# Altium PCB Pleiades_Frouf.PcbDoc (part 7 of 12)
Units mil, origin at the board's own origin, x right, y up, seen from the top; angles counter-clockwise.
Board outline 12244.09 x 4515.28 mil, 12 copper layers (TOP, GND1, IN1, GND2, POW1, GND3, POW2, GND4, GND5, IN2, GND6, BOT), stack 63.546 mil thick; 1442 components, 702 nets, 4419 pads, 1756 vias.
Unrouted connection lines stored in the file: 1088.
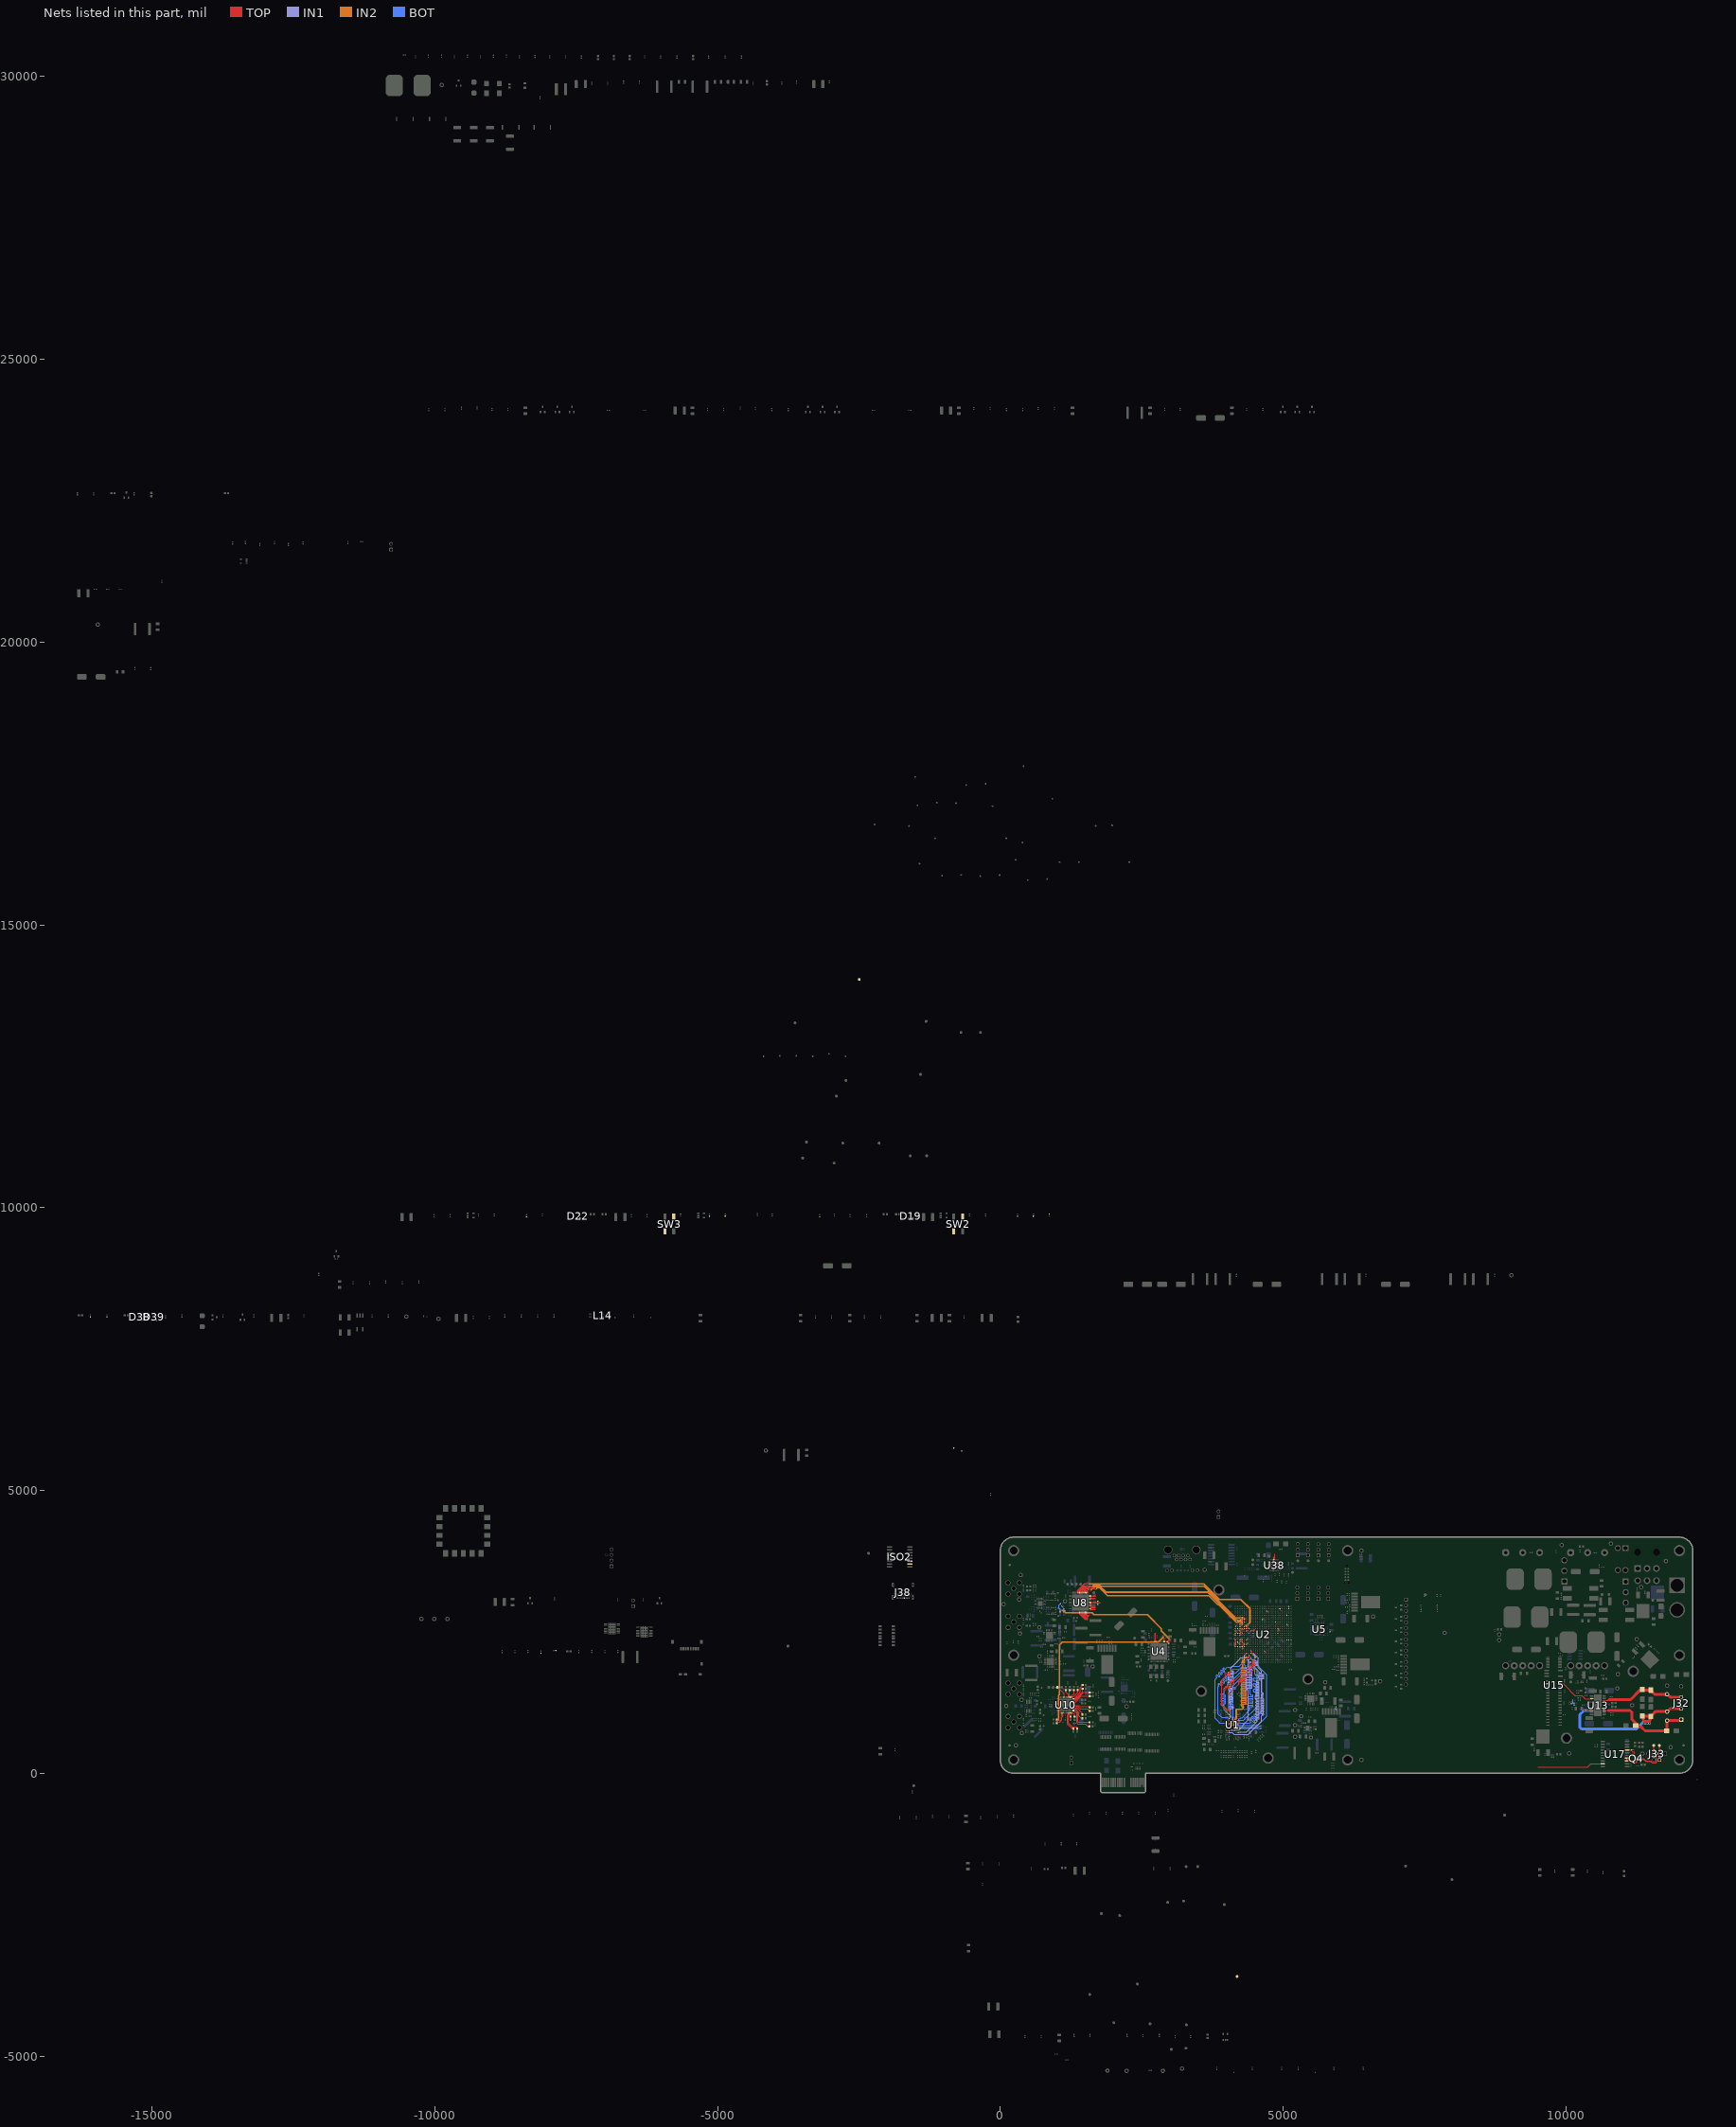
[diagram p17: the nets of this part, all layers, seen from the top]

## Via types
v1: diameter 12/18/18/18/18/18/18/18/18/18/18/12 (per signal layer), hole 6, TOP to BOT, 1113 vias
v2: diameter 20, hole 10, TOP to BOT, 363 vias
v3: diameter 19.68, hole 7.87, TOP to BOT, 110 vias
v4: diameter 25, hole 12, TOP to BOT, 67 vias
v5: diameter 40, hole 20, TOP to BOT, 48 vias
v6: diameter 22, hole 12, TOP to BOT, 27 vias
v7: diameter 12, hole 6, TOP to BOT, 19 vias
v8: diameter 19.68, hole 11.81, TOP to BOT, 9 vias

## Nets (pads, with @x,y where several pads share a name; then routed paths per layer and width w, separated by ;. In a path a pad name is that pad's centre, name@x,y a point inside that pad or via, vN(x,y) a via of type N, cw(c..) or ccw(c..) an arc to the next point about the centre after c; other vN are vias at no path point) (continued)
AOUT2_12: D11.1 D15.2 J32.3 TP80.1 U13.25 | length 1495.2
  TOP w20: U13.25@10651.42,1290.45 U13.25@10677.26,1290.45 10749.9,1290.45 10761.9,1302.46
  TOP w50: 10761.9,1302.46 11145.31,1302.46 D11.1@11315.24,1472.39 ; D11.1@11350.18,1472.39 11352.68,1474.89 D11.1@11352.68,1480.89 11362.68,1470.89 D15.2@11502.68,1470.89 11502.68,1464.89 11571.68,1395.89 TP80.1@11787.37,1395.89 11800.9,1395.89 11855.9,1340.89 J32.3@12037.68,1340.89
AUXIN: U2.W19 U17.9 | length 1191.7
  TOP w6: U2.W19@4866.14,2673.23 4866.14,2672.82 v1(4885,2653.96)
  TOP w12: 9509.2,110.49 10385.35,110.49 10439.38,164.52 U17.9@10651.42,164.52
BA0: NT23.2 U1.M2 U2.H6 | length 3142.2
  TOP w8.89: U1.M2@4015.75,748.03 4015.75,747.02 4031.92,730.84 v1(4031.92,730) ; U2.H6@4433.07,2161.42 4455.16,2139.32 4461.08,2139.32 v1(4461.67,2139.91)
  IN1 w5.75: v1(4031.92,730) 4044.69,717.24 4100.79,717.24 4132.33,685.69 4384.31,685.69 4622.86,924.24 4622.86,987.48 4622.86,1016.11 cw(c4635.74,1016.11) 4635.74,1028.99 4645.97,1028.99 ccw(c4645.97,1041.87) 4645.97,1054.74 4613.92,1054.74 cw(c4613.92,1067.62) 4613.92,1080.5 4645.97,1080.5 ccw(c4645.97,1093.38) 4645.97,1106.25 4613.92,1106.25 cw(c4613.92,1119.13) 4613.92,1132.01 4645.97,1132.01 ccw(c4645.97,1144.88) 4645.97,1157.76 4613.92,1157.76 cw(c4613.92,1170.64) 4613.92,1183.52 4645.97,1183.52 ccw(c4645.97,1196.39) 4645.97,1209.27 4613.92,1209.27 cw(c4613.92,1222.15) 4613.92,1235.03 4645.97,1235.03 ccw(c4645.97,1247.9) 4645.97,1260.78 4613.92,1260.78 cw(c4613.92,1273.66) 4613.92,1286.53 4645.97,1286.53 ccw(c4645.97,1299.41) 4645.97,1312.29 4613.92,1312.29 cw(c4613.92,1325.17) 4613.92,1338.04 4632.21,1338.04 ccw(c4632.21,1350.92) 4632.21,1363.8 4622.86,1363.8 cw(c4622.86,1376.68) 4622.86,1389.55 4635.74,1389.55 ccw(c4635.74,1402.43) 4635.74,1415.31 cw(c4635.74,1428.19) 4622.86,1428.19 4622.86,1632.81 4622.86,1635.69 ccw(c4609.99,1635.69) 4609.99,1648.56 4577.34,1648.56 cw(c4577.34,1661.44) 4577.34,1674.32 4651.59,1674.32 ccw(c4651.59,1687.19) 4651.59,1700.07 4577.34,1700.07 cw(c4577.34,1712.95) 4577.34,1725.83 4651.59,1725.83 ccw(c4651.59,1738.7) 4651.59,1751.58 4577.34,1751.58 cw(c4577.34,1764.46) 4577.34,1777.34 4609.99,1777.34 ccw(c4609.99,1790.21) 4622.86,1790.21 4622.86,1803.65 4594.82,1831.7 4563.5,1863.02 4563.5,2031.5 4487.51,2107.49 4487.51,2112.89 4461.67,2138.73 v1(4461.67,2139.91)
BA1: NT26.2 U1.N8 U2.H5 | length 3142.2
  TOP w8.89: U1.N8@4204.72,716.54 4205.7,716.54 4219.17,730 v1(4220.01,730) ; U2.H5@4433.07,2122.05 4433.87,2122.05 4449.16,2106.75 4456.49,2106.75 v1(4457.08,2106.16)
  IN1 w5.75: v1(4220.01,730) 4349.98,730 4541.54,921.56 4541.54,922.38 4541.54,925.26 ccw(c4533.04,925.26) 4533.04,933.75 4528.08,933.75 cw(c4528.08,942.25) 4519.58,942.25 4519.58,951.01 cw(c4528.08,951.01) 4528.08,959.51 4568.64,959.51 ccw(c4568.64,968.01) 4577.14,968.01 4577.14,976.76 ccw(c4568.64,976.76) 4568.64,985.26 4528.08,985.26 cw(c4528.08,993.76) 4519.58,993.76 4519.58,1002.52 cw(c4528.08,1002.52) 4528.08,1011.02 4568.64,1011.02 ccw(c4568.64,1019.52) 4577.14,1019.52 4577.14,1028.27 ccw(c4568.64,1028.27) 4568.64,1036.77 4528.08,1036.77 cw(c4528.08,1045.27) 4519.58,1045.27 4519.58,1054.03 cw(c4528.08,1054.03) 4528.08,1062.53 4568.64,1062.53 ccw(c4568.64,1071.03) 4577.14,1071.03 4577.14,1079.78 ccw(c4568.64,1079.78) 4568.64,1088.28 4528.08,1088.28 cw(c4528.08,1096.78) 4519.58,1096.78 4519.58,1105.54 cw(c4528.08,1105.54) 4528.08,1114.04 4568.64,1114.04 ccw(c4568.64,1122.54) 4577.14,1122.54 4577.14,1131.29 ccw(c4568.64,1131.29) 4568.64,1139.79 4528.08,1139.79 cw(c4528.08,1148.29) 4519.58,1148.29 4519.58,1157.05 cw(c4528.08,1157.05) 4528.08,1165.55 4568.64,1165.55 ccw(c4568.64,1174.05) 4577.14,1174.05 4577.14,1182.8 ccw(c4568.64,1182.8) 4568.64,1191.3 4528.08,1191.3 cw(c4528.08,1199.8) 4519.58,1199.8 4519.58,1208.56 cw(c4528.08,1208.56) 4528.08,1217.06 4568.64,1217.06 ccw(c4568.64,1225.55) 4577.14,1225.55 4577.14,1234.31 ccw(c4568.64,1234.31) 4568.64,1242.81 4528.08,1242.81 cw(c4528.08,1251.31) 4519.58,1251.31 4519.58,1260.07 cw(c4528.08,1260.07) 4528.08,1268.56 4568.64,1268.56 ccw(c4568.64,1277.06) 4577.14,1277.06 4577.14,1285.82 ccw(c4568.64,1285.82) 4568.64,1294.32 4528.08,1294.32 cw(c4528.08,1302.82) 4519.58,1302.82 4519.58,1311.57 cw(c4528.08,1311.57) 4528.08,1320.07 4568.64,1320.07 ccw(c4568.64,1328.57) 4577.14,1328.57 4577.14,1337.33 ccw(c4568.64,1337.33) 4568.64,1345.83 4528.08,1345.83 cw(c4528.08,1354.33) 4519.58,1354.33 4519.58,1363.08 cw(c4528.08,1363.08) 4528.08,1371.58 4568.64,1371.58 ccw(c4568.64,1380.08) 4577.14,1380.08 4577.14,1388.84 ccw(c4568.64,1388.84) 4568.64,1397.34 4528.08,1397.34 cw(c4528.08,1405.84) 4519.58,1405.84 4519.58,1414.59 cw(c4528.08,1414.59) 4528.08,1423.09 4568.64,1423.09 ccw(c4568.64,1431.59) 4577.14,1431.59 4577.14,1440.35 ccw(c4568.64,1440.35) 4568.64,1448.85 4528.08,1448.85 cw(c4528.08,1457.35) 4519.58,1457.35 4519.58,1466.1 cw(c4528.08,1466.1) 4528.08,1474.6 4568.64,1474.6 ccw(c4568.64,1483.1) 4577.14,1483.1 4577.14,1491.86 ccw(c4568.64,1491.86) 4568.64,1500.36 4528.08,1500.36 cw(c4528.08,1508.85) 4519.58,1508.85 4519.58,1517.61 cw(c4528.08,1517.61) 4528.08,1526.11 4568.64,1526.11 ccw(c4568.64,1534.61) 4577.14,1534.61 4577.14,1543.37 ccw(c4568.64,1543.37) 4568.64,1551.87 4528.08,1551.87 cw(c4528.08,1560.36) 4519.58,1560.36 4519.58,1569.12 cw(c4528.08,1569.12) 4528.08,1577.62 4568.64,1577.62 ccw(c4568.64,1586.12) 4577.14,1586.12 4577.14,1594.88 ccw(c4568.64,1594.88) 4568.64,1603.37 4531.37,1603.37 cw(c4531.37,1611.87) 4522.87,1611.87 4522.87,1620.63 cw(c4531.37,1620.63) 4531.37,1629.13 4533.04,1629.13 ccw(c4533.04,1637.63) 4541.54,1637.63 4541.54,1679.65 4541.54,1826.47 4505,1863.02 4505,1891.65 cw(c4517.88,1891.65) 4517.88,1904.53 4531.29,1904.53 ccw(c4531.29,1917.4) 4531.29,1930.28 4504.85,1930.28 cw(c4504.85,1943.16) 4504.85,1956.04 4531.29,1956.04 ccw(c4531.29,1968.91) 4531.29,1981.79 4517.88,1981.79 cw(c4517.88,1994.67) 4505,1994.67 4505,2051.18 4505,2061.39 4472.63,2093.76 4468.96,2093.76 4457.08,2105.63 v1(4457.08,2106.16)
BA2: NT29.2 U1.M3 U2.E3 | length 3142.2
  TOP w8.89: U1.M3@4047.24,748.03 v1(4062.56,763.35) ; U2.E3@4314.96,2043.31 4335.82,2022.45 4345.17,2022.45 v1(4345.76,2021.85)
  IN1 w5.75: v1(4062.56,763.35) 4151.4,763.35 4163.38,775.33 4229.91,775.33 4290.61,836.02 4290.61,850.54 4382.35,942.28 4382.35,1465.4 4382.35,1468.28 ccw(c4369.47,1468.28) 4369.47,1481.16 4352.74,1481.16 cw(c4352.74,1494.04) 4352.74,1506.91 4439.72,1506.91 ccw(c4439.72,1519.79) 4439.72,1532.67 4352.74,1532.67 cw(c4352.74,1545.54) 4352.74,1558.42 4439.72,1558.42 ccw(c4439.72,1571.3) 4439.72,1584.18 4352.74,1584.18 cw(c4352.74,1597.05) 4352.74,1609.93 4439.72,1609.93 ccw(c4439.72,1622.81) 4439.72,1635.69 4352.74,1635.69 cw(c4352.74,1648.56) 4352.74,1661.44 4439.72,1661.44 ccw(c4439.72,1674.32) 4439.72,1687.19 4352.74,1687.19 cw(c4352.74,1700.07) 4352.74,1712.95 4439.72,1712.95 ccw(c4439.72,1725.83) 4439.72,1738.7 4352.74,1738.7 cw(c4352.74,1751.58) 4352.74,1764.46 4439.72,1764.46 ccw(c4439.72,1777.34) 4439.72,1790.21 4352.74,1790.21 cw(c4352.74,1803.09) 4352.74,1815.97 4439.72,1815.97 ccw(c4439.72,1828.85) 4439.72,1841.72 4352.74,1841.72 cw(c4352.74,1854.6) 4352.74,1867.48 4417.98,1867.48 ccw(c4417.98,1880.35) 4417.98,1893.23 4395.23,1893.23 cw(c4395.23,1906.11) 4382.35,1906.11 4382.35,1935.25 4382.35,2004.72 4378.98,2008.09 4359.52,2008.09 v1(4345.76,2021.85)
BOUT1_12: D12.1 D16.2 J32.2 TP82.1 U13.11 | length 3181.7
  TOP w20: v4(10322.68,1111.32) U13.11@10477.36,1111.32
  TOP w50: 11416.6,920.36 11386.53,920.36 ; 11445.37,920.36 11473.47,920.36 ; J32.2@12037.68,1144.03 11845.09,1144.03 TP82.1@11790.09,1089.03 11581.68,1089.03 11502.68,1010.03 D12.1@11502.68,1004.03 ; 11386.53,920.36 11366.47,940.43 11366.47,997.94 D16.2@11352.63,1011.78 11494.93,1011.78 D12.1@11502.68,1004.03 ; 11386.53,920.36 v4(11386.53,881.36) v4(11416.6,881.36) v4(11473.47,881.36) 11473.47,920.36 ; 11473.47,920.36 11473.47,930.02 11489.95,946.5 11489.95,991.3 D12.1@11502.68,1004.03
  BOT w25: v4(11386.53,881.36) v4(11416.6,881.36) ; v4(11445.37,881.36) v4(11473.47,881.36)
  BOT w50: v4(10401.73,1111.32) v4(10375.38,1111.32) v4(10349.03,1111.32) v4(10322.68,1111.32) 10248.18,1036.81 10248.18,810.79 10277.47,781.5 11247.67,781.5 11386.53,920.36 11416.6,920.36 v4(11416.6,881.36) v4(11445.37,881.36) 11445.37,920.36 ; v4(11473.47,881.36) 11474.03,881.93 11474.03,919.8 11473.47,920.36
BOUT2_12: D13.1 D17.2 J32.1 TP81.1 U13.18 | length 1799.9
  TOP w20: U13.18@10651.42,1111.32 U13.18@10677.26,1111.32 10751.92,1111.32
  TOP w50: 10751.92,1111.32 11135.4,1111.32 11169.13,1077.59 11169.13,952.15 11293.63,827.66 11322.68,827.66 11399.45,750.89 11777.68,750.89 11782.68,745.89 11787.68,750.89 TP81.1@11787.68,930.89 12021.38,930.89 J32.1@12037.68,947.18
BTN_1: C374.1 D19.2 R168.2 SW2.1 SW2.4 TP89.1 U2.Y15
BTN_2: C378.1 D22.2 R176.2 SW3.1 SW3.4 TP93.1 U2.Y14
BUSY: R76.1 U2.Y16 U5.C1 | length 54.7
  TOP w6: U2.Y16@4905.51,2555.12 4924.25,2536.38 v1(4924.25,2530) ; v1(5704.5,2483.9) 5704.5,2485.17 U5.C1@5719,2499.67
CAN_12_H: J33.3 R166.1 TP88.1 U17.14 | length 1145.2
  TOP w2.64: U17.14@11080.92,264.52 11080.92,244.88 11082.47,243.34 11130.09,243.34 11167.35,206.08 11187.21,186.22 11225.39,186.22 11252.63,213.45 11252.63,292.54 11259.04,298.96 11314.63,298.96 11350.97,262.62 11370.85,262.62 11418.94,214.52 11502.72,214.52 11525.62,191.62 11596.92,191.62 11598.46,193.17 11598.46,346.03 11596.92,347.57 J33.3@11554.16,347.57 ; R166.1@11484.03,275.32 11484.03,276.38 11554.16,346.51 J33.3@11554.16,347.57 ; TP88.1@11554.16,494.09 J33.3@11554.16,347.57
CAN_12_L: J33.2 J34.1 TP85.1 U17.13 | length 1170.8
  TOP w2.64: U17.13@11080.92,214.52 11080.92,234.16 11082.47,235.7 11126.93,235.7 11156.55,206.08 11184.05,178.58 11228.56,178.58 11260.26,210.29 11260.26,289.38 11262.2,291.32 11311.47,291.32 11347.81,254.98 11367.68,254.98 11415.78,206.88 11499.56,206.88 11520.22,186.22 11522.45,183.98 11600.08,183.98 11606.1,190 11606.1,346.03 11607.64,347.57 J33.2@11654.16,347.57 ; TP85.1@11654.16,492.13 J33.2@11654.16,347.57 ; J34.1@11656.84,236.22 11654.16,238.9 J33.2@11654.16,347.57
CAN_AUX_OUT_12: Q4.1 R165.2 U17.17 | length 238.7
  TOP w10: U17.17@11080.92,414.52 11082.69,412.76 R165.2@11161.24,412.76 11161.24,390.2 11173.8,377.64 11205.42,377.64 11213.84,369.22 11213.84,299.82 Q4.1@11210.75,296.72
CC1_14: D38.2 J38.A5 R287.1
CC2_14: D39.2 J38.B5 R288.1
CK_N: NT27.2 U1.K7 U2.G3 | length 3065.3
  TOP w7.01: v1(4143.5,823.25) 4143.54,823.21 4152.79,823.21 4153.19,822.81 4161.44,822.81 4161.64,822.61 U1.K7@4173.23,811.02 ; v1(4376.55,2070.6) 4377.5,2069.64 4377.5,2059.51 U2.G3@4393.7,2043.31
  IN2 w4.86: v1(4143.5,823.25) 4122.34,844.41 4122.34,927.94 4170.08,975.68 4170.08,1130.74 4178.7,1139.37 4273.63,1139.37 4274.3,1140.04 4288.09,1153.83 4288.09,1182.56 ccw(c4283.23,1182.56) 4283.23,1187.42 4265.27,1187.42 cw(c4265.27,1197.29) 4255.41,1197.29 4255.41,1222.15 cw(c4265.27,1222.15) 4265.27,1232.01 4343.48,1232.01 4343.48,1256.87 4265.27,1256.87 cw(c4265.27,1266.73) 4255.41,1266.73 4255.41,1291.59 cw(c4265.27,1291.59) 4265.27,1301.45 4343.48,1301.45 4343.48,1326.31 4265.27,1326.31 cw(c4265.27,1336.17) 4255.41,1336.17 4255.41,1361.04 cw(c4265.27,1361.04) 4265.27,1370.9 4343.48,1370.9 4343.48,1395.76 4265.27,1395.76 cw(c4265.27,1405.62) 4255.41,1405.62 4255.41,1430.48 cw(c4265.27,1430.48) 4265.27,1440.34 4343.48,1440.34 4343.48,1465.2 4265.27,1465.2 cw(c4265.27,1475.06) 4255.41,1475.06 4255.41,1499.92 cw(c4265.27,1499.92) 4265.27,1509.78 4343.48,1509.78 4343.48,1534.65 4265.27,1534.65 cw(c4265.27,1544.51) 4255.41,1544.51 4255.41,1569.37 cw(c4265.27,1569.37) 4265.27,1579.23 4343.48,1579.23 4343.48,1604.09 4265.27,1604.09 cw(c4265.27,1613.95) 4255.41,1613.95 4255.41,1638.81 cw(c4265.27,1638.81) 4265.27,1648.67 4343.48,1648.67 4343.48,1673.53 4265.27,1673.53 cw(c4265.27,1683.4) 4255.41,1683.4 4255.41,1708.26 cw(c4265.27,1708.26) 4265.27,1718.12 4343.48,1718.12 4343.48,1742.98 4265.27,1742.98 cw(c4265.27,1752.84) 4255.41,1752.84 4255.41,1777.7 cw(c4265.27,1777.7) 4265.27,1787.56 4343.48,1787.56 4343.48,1812.42 4265.27,1812.42 cw(c4265.27,1822.28) 4255.41,1822.28 4255.41,1847.14 cw(c4265.27,1847.14) 4265.27,1857.01 4283.23,1857.01 ccw(c4283.23,1861.87) 4288.09,1861.87 4288.09,1903.95 4288.09,1989.66 4318.14,2019.71 4318.14,2041.24 4332.69,2055.79 4362.25,2055.79 4376.55,2070.09 v1(4376.55,2070.6)
CK_P: NT24.2 U1.J7 U2.G4 | length 3064.7
  TOP w7.01: v1(4145.48,846.17) 4146.83,846.17 4149.84,843.16 4161,843.16 4161.44,842.72 4173.03,842.72 U1.J7@4173.23,842.52 ; v1(4378.41,2093.52) 4379.36,2092.57 4380.91,2092.57 4390.8,2082.68 U2.G4@4393.7,2082.68
  IN2 w4.86: v1(4145.48,846.17) 4144.5,847.15 4135.55,847.15 4132.2,850.5 4132.2,923.86 4179.94,971.59 4179.94,1126.66 4182.79,1129.5 4277.71,1129.5 4288.25,1140.04 4297.95,1149.74 4297.95,1182.56 ccw(c4283.23,1182.56) 4283.23,1197.29 4265.27,1197.29 4265.27,1222.15 4343.48,1222.15 ccw(c4343.48,1232.01) 4353.34,1232.01 4353.34,1256.87 ccw(c4343.48,1256.87) 4343.48,1266.73 4265.27,1266.73 4265.27,1291.59 4343.48,1291.59 ccw(c4343.48,1301.45) 4353.34,1301.45 4353.34,1326.31 ccw(c4343.48,1326.31) 4343.48,1336.17 4265.27,1336.17 4265.27,1361.04 4343.48,1361.04 ccw(c4343.48,1370.9) 4353.34,1370.9 4353.34,1395.76 ccw(c4343.48,1395.76) 4343.48,1405.62 4265.27,1405.62 4265.27,1430.48 4343.48,1430.48 ccw(c4343.48,1440.34) 4353.34,1440.34 4353.34,1465.2 ccw(c4343.48,1465.2) 4343.48,1475.06 4265.27,1475.06 4265.27,1499.92 4343.48,1499.92 ccw(c4343.48,1509.78) 4353.34,1509.78 4353.34,1534.65 ccw(c4343.48,1534.65) 4343.48,1544.51 4265.27,1544.51 4265.27,1569.37 4343.48,1569.37 ccw(c4343.48,1579.23) 4353.34,1579.23 4353.34,1604.09 ccw(c4343.48,1604.09) 4343.48,1613.95 4265.27,1613.95 4265.27,1638.81 4343.48,1638.81 ccw(c4343.48,1648.67) 4353.34,1648.67 4353.34,1673.53 ccw(c4343.48,1673.53) 4343.48,1683.4 4265.27,1683.4 4265.27,1708.26 4343.48,1708.26 ccw(c4343.48,1718.12) 4353.34,1718.12 4353.34,1742.98 ccw(c4343.48,1742.98) 4343.48,1752.84 4265.27,1752.84 4265.27,1777.7 4343.48,1777.7 ccw(c4343.48,1787.56) 4353.34,1787.56 4353.34,1812.42 ccw(c4343.48,1812.42) 4343.48,1822.28 4265.27,1822.28 4265.27,1847.14 4283.23,1847.14 ccw(c4283.23,1861.87) 4297.95,1861.87 4297.95,1903.95 4297.95,1961.24 4302.05,1965.34 4302.05,1969.36 4297.95,1973.46 4297.95,1985.58 4328,2015.63 4328,2037.15 4336.78,2045.93 4375.59,2045.93 4392.98,2063.32 4392.98,2078.45 4378.41,2093.01 v1(4378.41,2093.52)
CK_TERM_6_N: NT27.1 R42.1 | length 484
  BOT w10: NT27.1@4160.29,822.81 4163.79,822.81 4164.29,822.31 4164.29,818.81 4167.42,815.69 4167.42,795.26 4181.65,781.03 4224.61,781.03 4240.28,796.69 4263.08,796.69 4604.55,796.71 R42.1@4605.88,795.38
CK_TERM_6_P: NT24.1 R37.1 | length 475.7
  BOT w10: NT24.1@4162.98,846.17 4166.48,846.17 4166.98,845.67 4166.98,842.17 4206.4,802.75 4227.95,802.75 4234.91,809.71 4244.42,809.71 ; 4244.44,809.69 4257.7,809.69 4555.59,809.71 4583.4,837.52 R37.1@4604.25,837.52
CKE: NT2.2 U1.K9 U2.F5 | length 3142.2
  TOP w8.89: U1.K9@4236.22,811.02 4236.31,811.02 4250.98,825.69 v1(4251.07,825.69) ; v1@4336.3,2100.63 v1(4336.3,2102.32) 4336.3,2104.02 U2.F5@4354.33,2122.05
  IN1 w5.75: v1(4251.07,825.69) 4250.83,825.69 4233.95,808.82 4205.11,808.82 4189.41,824.52 4189.41,877.5 4165.13,901.78 4134.07,901.78 4117.66,918.19 4117.66,979.29 4105.05,991.9 4083.01,991.9 4073.12,1001.79 4073.12,1107.42 4073.12,1110.3 ccw(c4060.25,1110.3) 4060.25,1123.17 4036,1123.17 cw(c4036,1136.05) 4036,1148.93 4110.25,1148.93 ccw(c4110.25,1161.81) 4110.25,1174.68 4086,1174.68 cw(c4086,1187.56) 4073.12,1187.56 4073.12,1229 4073.12,1236.19 4073.12,1239.07 ccw(c4060.25,1239.07) 4060.25,1251.95 4047.58,1251.95 cw(c4047.58,1264.83) 4047.58,1277.7 4094.64,1277.7 ccw(c4094.64,1290.58) 4094.64,1303.46 4047.58,1303.46 cw(c4047.58,1316.33) 4047.58,1329.21 4094.64,1329.21 ccw(c4094.64,1342.09) 4094.64,1354.97 4047.58,1354.97 cw(c4047.58,1367.84) 4047.58,1380.72 4094.64,1380.72 ccw(c4094.64,1393.6) 4094.64,1406.48 4047.58,1406.48 cw(c4047.58,1419.35) 4047.58,1432.23 4094.64,1432.23 ccw(c4094.64,1445.11) 4094.64,1457.98 4047.58,1457.98 cw(c4047.58,1470.86) 4047.58,1483.74 4094.64,1483.74 ccw(c4094.64,1496.62) 4094.64,1509.49 4054.68,1509.49 cw(c4054.68,1522.37) 4054.68,1535.25 4060.25,1535.25 ccw(c4060.25,1548.13) 4073.12,1548.13 4073.12,1575.13 4073.12,1588.01 4073.12,1590.89 ccw(c4060.25,1590.89) 4060.25,1603.76 4036,1603.76 cw(c4036,1616.64) 4036,1629.52 4110.25,1629.52 ccw(c4110.25,1642.4) 4110.25,1655.27 4036,1655.27 cw(c4036,1668.15) 4036,1681.03 4110.25,1681.03 ccw(c4110.25,1693.9) 4110.25,1706.78 4036,1706.78 cw(c4036,1719.66) 4036,1732.54 4110.25,1732.54 ccw(c4110.25,1745.41) 4110.25,1758.29 4036,1758.29 cw(c4036,1771.17) 4036,1784.05 4110.25,1784.05 ccw(c4110.25,1796.92) 4110.25,1809.8 4086,1809.8 cw(c4086,1822.68) 4073.12,1822.68 4073.12,1845 4073.12,1858.5 4231.57,2016.95 4231.57,2022.66 4254.39,2045.49 4278.42,2045.49 4279.96,2047.02 4299.79,2047.02 4314.97,2062.2 4314.97,2080.99 v1(4336.3,2102.32)
CLK: R59.2 R61.1 U2.AD22 U5.B3 | length 49.7
  TOP w6: U2.AD22@5062.99,2791.34 5063.71,2791.34 v1(5081.34,2808.98) ; U5.B3@5656,2468.18 5657.77,2468.18 v1(5673.5,2483.9)
CLK_ADC_400MHZ_3_N: C239.1 R91.1 U4.17 | length 2422.9
  TOP w4.33: U4.17@2948.82,2327.91 2948.82,2318.71 2951,2316.53 2957.3,2316.53 2969.39,2328.62 2969.39,2341.83 2994.31,2366.75 3007.97,2366.75 3013.48,2372.26 v1(3014.34,2372.26)
  IN2 w2.87: v1(1130,2922.49) 1130,2908.98 1108.57,2887.55 1108.57,2885.17 1148.33,2845.4 1619.6,2845.4 1655.83,2809.17 2599.63,2809.17 2855,2553.8 2855,2517.63 2999.74,2372.9 2999.74,2368.04 3003.23,2364.55 3005.61,2364.55 3013.32,2372.26 v1(3014.34,2372.26)
  BOT w4.33: C239.1@1083.2,2956.85 1117.51,2922.54 v1(1130,2922.49) v1(1130,2922.49) R91.1@1130,2861.92
CLK_ADC_400MHZ_3_P: C238.1 R92.1 U4.16 | length 2462.4
  TOP w4.33: U4.16@2977.36,2299.37 2968.16,2299.37 2965.98,2301.55 2965.98,2307.85 2981.66,2323.53 2981.66,2336.75 2999.39,2354.48 3004.83,2354.48 3011.2,2348.11 v1(3011.2,2347.67)
  IN2 w2.87: v1(1056.68,2887.35) 1059.36,2884.67 1097.71,2884.67 1099.4,2882.99 1099.4,2881.37 1144.53,2836.23 1615.8,2836.23 1652.03,2800 2595.83,2800 2845.83,2550 2845.83,2513.84 2990.57,2369.1 2990.57,2364.24 2999.43,2355.38 3002.46,2355.38 3010.17,2347.67 v1(3011.2,2347.67)
  BOT w4.33: v1(1056.68,2887.35) 1057.38,2886.66 v1@1065.26,2886.66 ; R92.1@1060.13,2862.65 1065.26,2867.78 v1@1065.26,2886.66 ; C238.1@1065.7,2994.97 1038.82,2968.09 1038.82,2923.99 1065.26,2897.55 v1@1065.26,2886.66